# Altium PCB Waffling60-MX.PcbDoc (part 2 of 3)
Units mm, origin at the board's own origin, x right, y up, seen from the top; angles counter-clockwise.
Board outline 284.7 x 94.21 mm, 2 copper layers (Component Side, Bottom Layer), stack 1.571 mm thick; 178 components, 117 nets, 864 pads, 146 vias.
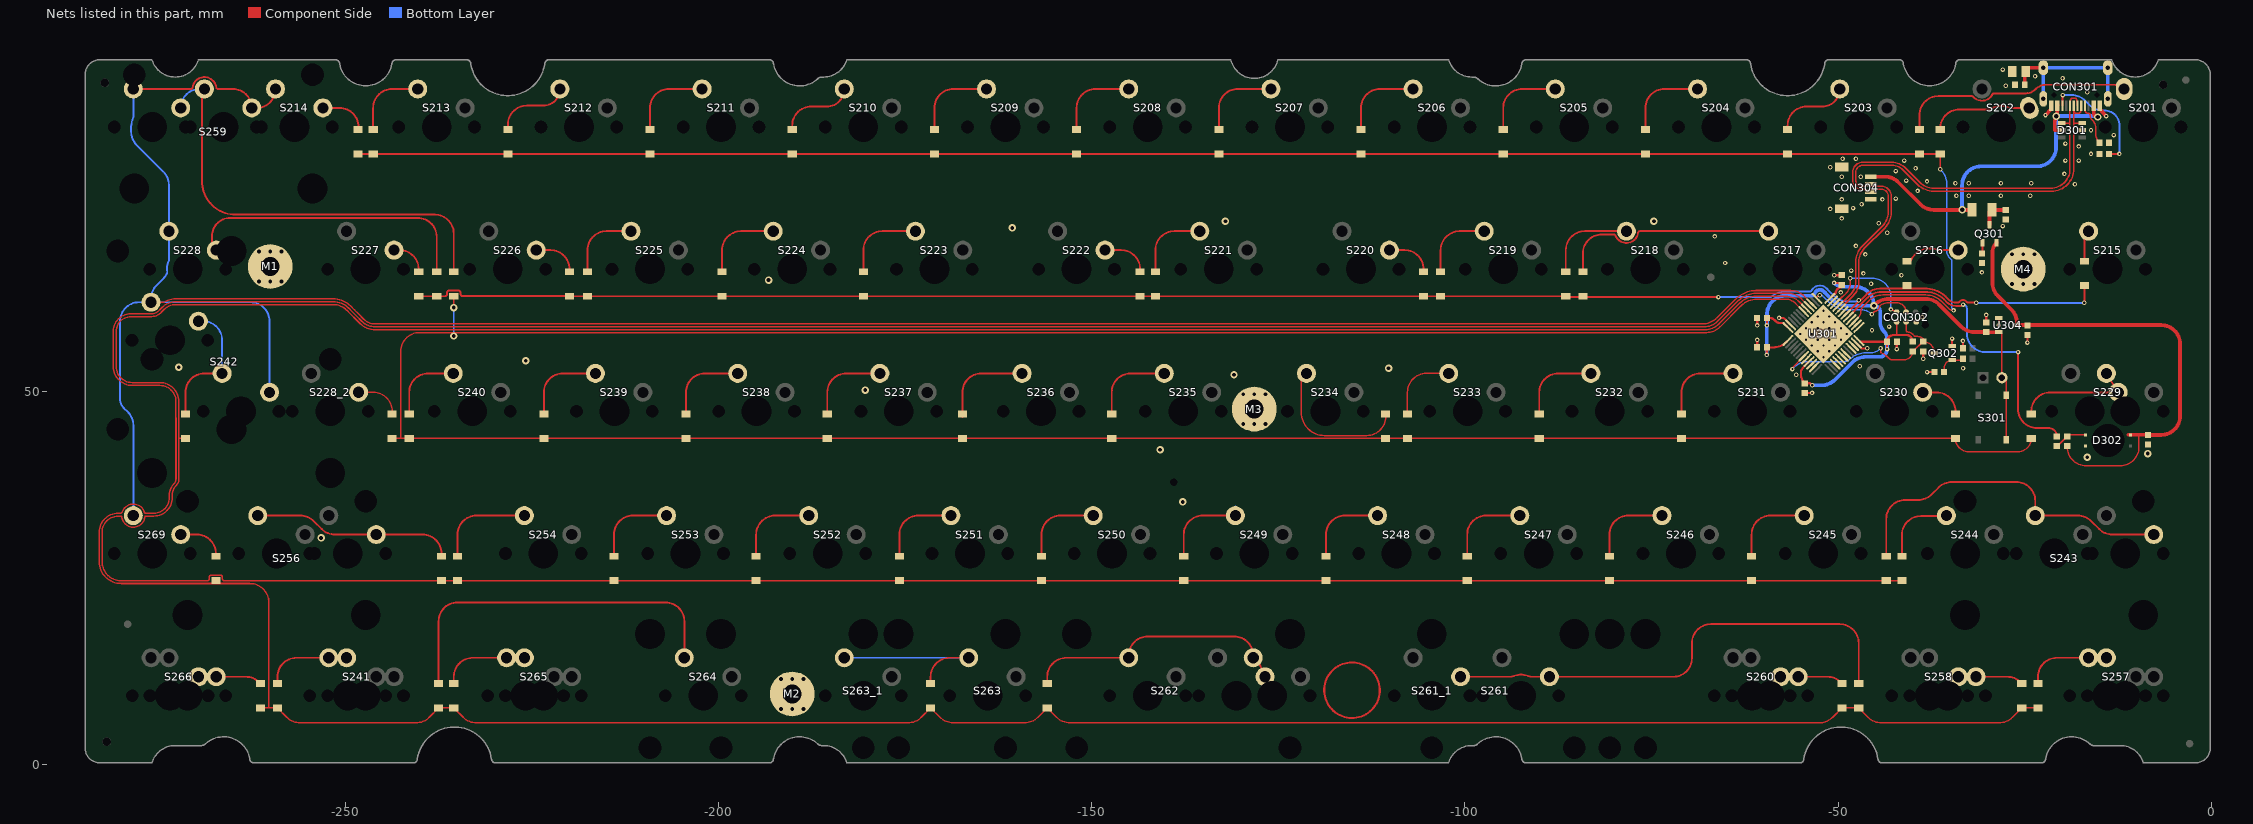
[diagram p2: the nets of this part, all layers, seen from the top]

## Via types
v1: diameter 0.6, hole 0.3, Component Side to Bottom Layer, tented both sides, 101 vias
v2: diameter 0.6, hole 0.3, Component Side to Bottom Layer, tented bottom, 25 vias
v3: diameter 1, hole 0.5, Component Side to Bottom Layer, tented both sides, 17 vias
v4: diameter 1, hole 0.6, Component Side to Bottom Layer, tented both sides, 3 vias

## Nets (pads, with @x,y where several pads share a name; then routed paths per layer and width w, separated by ;. In a path a pad name is that pad's centre, name@x,y a point inside that pad or via, vN(x,y) a via of type N, cw(c..) or ccw(c..) an arc to the next point about the centre after c; other vN are vias at no path point) (continued)
col14: S214.2 S228.2 S242.2 S259.2 S269.2 U301.39 | length 339.5
  Component Side w0.203: S242.2@-276.02,61.925 -274.329,61.925 ccw(c-274.33,62.128) -274.225,61.954 cw(c-272.709,59.455) -272.709,62.378 -251.606,62.378 cw(c-251.606,59.072) -249.265,61.407 -248.744,60.886 cw(c-249.013,60.613) -248.742,60.884 -248.298,60.439 ccw(c-248.153,60.582) -248.296,60.438 -247.507,59.649 ccw(c-245.98,61.172) -245.98,59.015 -68.273,59.015 ccw(c-68.273,61.938) -66.207,59.87 ccw(c-68.273,61.938) -66.205,59.873 -63.82,62.257 cw(c-60.833,59.282) -63.808,62.269 cw(c-60.833,59.282) -62.693,63.065 ccw(c-62.783,63.247) -62.685,63.07 cw(c-61.057,60.191) -61.057,63.498 -56.366,63.498 cw(c-56.366,60.958) -54.57,62.754 U301.39@-53.72,61.904
  Component Side w0.254: S259.2@-278.39,90.495 -272.542,90.495 -270.698,90.495 ccw(c-270.698,90.749) -270.447,90.714 cw(c-268.865,90.495) -270.403,90.924 cw(c-268.865,90.495) -268.362,92.011 cw(c-268.865,90.495) -268.36,92.01 cw(c-268.865,90.495) -267.283,90.714 ccw(c-267.032,90.749) -267.032,90.495 -265.055,90.495 cw(c-265.055,87.955) S259.2@-262.515,87.955 -261.88,87.955 ccw(c-261.88,90.495) S214.2@-259.34,90.495
  Bottom Layer w0.254: S269.2@-278.39,33.345 -278.39,45.436 ccw(c-280.93,45.436) -279.134,47.232 -279.654,47.752 cw(c-278.428,48.978) -280.162,48.978 -280.162,59.385 cw(c-277.622,59.385) -277.622,61.925 S242.2@-276.02,61.925 ; S259.2@-278.39,90.495 -278.39,86.712 cw(c-278.644,86.711) -278.414,86.604 ccw(c-275.85,85.415) -278.675,85.469 -278.675,84.782 ccw(c-276.135,84.782) -277.931,82.986 -274.371,79.426 cw(c-276.167,77.63) -273.627,77.63 S228.2@-273.627,71.445 -273.627,67.576 cw(c-273.881,67.578) -273.648,67.478 ccw(c-271.087,66.365) -273.849,65.956 cw(c-274.101,65.919) -273.871,65.811 cw(c-276.167,66.896) -274.371,65.1 -275.276,64.195 ccw(c-273.48,62.399) -276.02,62.399 S242.2@-276.02,61.925 ; S242.2@-260.14,49.855 -260.14,59.385 ccw(c-262.68,59.385) -262.68,61.925 S242.2@-276.02,61.925
D_N: CON301.A7 CON301.B7 CON304.2 D301.3 U301.32 | length 69.6
  Component Side w0.2: U301.32@-49.513,61.197 -49.513,61.224 -49.056,61.68 -49.056,61.722 -47.989,62.789 ccw(c-49.842,64.641) -47.987,62.791 ccw(c-49.842,64.641) -47.222,64.641 -47.222,67.361 cw(c-44.682,67.361) -46.478,69.157 -43.764,71.871 ccw(c-45.84,73.947) -42.904,73.947 -42.904,76.2 ccw(c-44.155,76.2) -44.155,77.452 -45.327,77.452 cw(c-45.327,77.75) CON304.2@-45.625,77.75 -45.889,77.75 ccw(c-45.889,77.241) -46.249,77.601 cw(c-46.609,77.961) -46.609,77.452 -46.863,77.452 cw(c-46.863,78.214) -47.625,78.214 -47.625,79.375 cw(c-46.736,79.375) -46.736,80.264 -42.808,80.264 cw(c-42.808,78.096) -41.275,79.629 -39.32,77.674 ccw(c-37.241,79.752) -37.241,76.813 -21.393,76.813 ccw(c-21.393,79.756) -18.45,79.756 -18.45,85.979 ; CON301.B7@-17.45,88.25 -17.5,88.18 -17.502,88.18 ccw(c-17.32,88.097) -17.52,88.097 -17.52,87.525 cw(c-17.8,87.525) -17.8,87.245 -18.1,87.245 cw(c-18.1,87.525) -18.38,87.525 -18.38,88.097 ccw(c-18.58,88.097) -18.398,88.18 -18.4,88.18 CON301.A7@-18.45,88.25 -18.45,85.979 ; D301.3@-17.294,85.913 -18.291,85.913 cw(c-18.291,86.138) -18.45,85.979
D_P: CON301.A6 CON301.B6 CON304.3 D301.4 U301.33 | length 69.1
  Component Side w0.2: U301.33@-49.866,61.55 -49.839,61.55 -49.383,62.007 -49.341,62.007 -48.275,63.073 ; -48.274,63.074 ccw(c-49.846,64.643) -47.625,64.643 -47.625,67.364 cw(c-44.689,67.364) -46.765,69.44 -44.051,72.154 ccw(c-45.847,73.95) -43.307,73.95 -43.307,76.2 ccw(c-44.155,76.2) -44.155,77.048 -45.327,77.048 ccw(c-45.327,76.75) CON304.3@-45.625,76.75 -45.889,76.75 cw(c-45.889,77.259) -46.249,76.899 ccw(c-46.609,76.539) -46.609,77.048 -46.863,77.048 cw(c-46.863,78.214) -48.028,78.214 -48.028,79.375 cw(c-46.736,79.375) -46.736,80.667 -42.803,80.667 cw(c-42.803,78.108) -40.993,79.917 -39.036,77.96 ccw(c-37.24,79.756) -37.24,77.216 -21.49,77.216 ccw(c-21.49,79.756) -18.95,79.756 -18.95,85.979 ; D301.4@-20.044,85.913 -19.109,85.913 ccw(c-19.109,86.138) -18.95,85.979 ; CON301.A6@-17.95,88.25 -18,88.821 -18.002,88.821 cw(c-17.82,88.904) -18.02,88.903 -18.02,88.975 ccw(c-18.3,88.975) -18.3,89.255 -18.6,89.255 ccw(c-18.6,88.975) -18.88,88.975 -18.88,88.401 cw(c-19.08,88.402) -18.882,88.373 -18.9,88.373 CON301.B6@-18.95,88.25 -18.95,85.979
GND: C301.1 C302.1 C303.1 C304.1 C305.1 C306.1 C307.1 C308.1 C310.2 C311.1 C312.1 CON301.A1B12 CON301.B1A12 CON302.5 CON304.4 CON304.5 D301.2 D302.3 L301.1 M1.1 M2.1 M3.1 M4.1 Q302.2 R301.2 R302.2 R304.2 R305.2 R307.2 U301.8 U301.23 U301.35 U301.47 U304.1 | length 48.3
  Component Side w0.254: v1(-57.912,59.817) -57.479,59.817 cw(c-57.479,59.361) -57.157,59.683 U301.47@-56.549,59.075 ; U301.23@-47.391,56.282 -47.379,56.282 -46.85,55.753 v1(-46.101,55.753) ; CON302.5@-39.544,59.309 v1(-38.735,59.944)
  Component Side w0.279: -111.412,10.074 cw(c-115.129,9.951) -111.412,10.088
  Component Side w0.3: C305.1@-60.848,55.88 v1@-60.848,56.881 ; v1@-60.848,58.816 C304.1@-60.848,59.817 ; C302.1@-54.483,49.769 v1@-53.482,49.769 ; v1@-50.531,65.547 C303.1@-49.53,65.547 ; v1@-42.149,55.641 C301.1@-42.149,56.642 ; v1@-38.608,54.356 C310.2@-38.608,55.357 ; v1@-38.1,52.578 R305.2@-37.099,52.578 ; Q302.2@-34.741,56.068 v1@-34.741,57.069 ; R304.2@-33.289,55.753 v1@-33.289,56.754 ; C308.1@-30.169,59.239 v1@-30.169,60.24 ; v1@-28.463,58.82 U304.1@-28.463,59.821 ; v1@-24.638,56.515 C307.1@-24.638,57.516
  Component Side w0.5: v1(-22.225,86.995) -21.5,87.775 CON301.B1A12@-21.45,88.25 ; CON301.A1B12@-14.95,88.25 -14.9,87.775 v1(-14.097,86.868)
  Bottom Layer w0.254: v2(-52.748,60.012) v2(-51.97,59.234) ; v2(-51.97,60.79) v2(-51.192,60.012) v2(-50.414,59.234) v2(-49.637,58.457) v2(-48.859,57.679)
  other v1: -53.49,49.769 -55.626,52.197 -38.092,52.578 -33.274,53.086 -47.117,53.34 -38.608,54.364 -42.149,55.649 -24.638,56.523 -33.289,56.746 -60.848,56.873 -34.741,57.061 -45.466,58.166 -43.18,58.674 -60.848,58.824 -28.463,58.828 -30.169,60.232 -49.657,63.246 -45.593,64.389 -41.529,65.532 -50.523,65.547 -46.609,65.786 -30.734,65.913 -48.26,66.167 -65.151,67.183 -46.355,68.326 -47.625,69.469 -66.548,70.739 -43.434,71.247 -27.94,72.136 -44.577,72.517 -49.53,73.152 -51.054,74.422 -48.006,74.549 -46.863,75.057 -49.53,75.692 -44.069,75.692 -42.291,75.819 -34.163,76.2 -32.512,76.2 -28.194,76.2 -24.257,76.2 -39.37,76.835 -18.288,77.724 -34.29,77.851 -32.512,77.851 -28.194,77.851 -24.13,77.851 -38.1,78.105 -40.894,78.232 -49.53,78.74 -46.99,78.74 -19.685,79.121 -42.291,79.502 -39.624,79.883 -51.054,80.01 -41.148,80.899 -19.558,80.899 -17.78,80.899 -49.403,81.153 -47.625,81.153 -16.129,81.788 -17.78,82.804 -19.558,83.185 -13.081,84.328 -16.129,84.963 -16.637,90.043 -27.559,90.932 -19.939,91.948 -23.622,92.202 -27.94,93.091
  other v2: -51.97,54.568 -52.748,55.345 -51.192,55.345 -53.526,56.123 -51.97,56.123 -50.414,56.123 -54.303,56.901 -52.748,56.901 -51.192,56.901 -49.637,56.901 -55.081,57.679 -53.526,57.679 -51.97,57.679 -50.414,57.679 -54.303,58.457 -52.748,58.457 -51.192,58.457 -53.526,59.234
  other v3: -253.238,30.353 -137.795,35.179 -16.637,41.148 -8.509,41.656 -140.843,42.164 -180.34,50.165 -130.937,52.197 -110.236,53.086 -272.288,53.213 -225.806,54.102 -193.294,64.897 -160.655,71.882 -132.08,72.771 -74.676,72.771
LED: R308.2 U301.29 | length 44.4
  Component Side w0.254: U301.29@-48.452,60.136 -47.094,61.494 -46.018,62.57 cw(c-44.222,60.774) -44.222,63.314 -38.221,63.314 cw(c-38.221,61.347) -38.043,63.306 ccw(c-38.021,63.559) -38.04,63.306 cw(c-38.28,59.834) -35.821,62.297 cw(c-38.28,59.834) -35.818,62.293 -35.474,61.949 ccw(c-34.255,63.169) -35.472,61.948 ccw(c-34.255,63.169) -34.255,61.445 -33.541,61.445 -33.368,61.618 v1(-33.274,61.618) ; v1@-25.908,55.245 -25.908,47.625 ccw(c-23.368,47.625) -23.368,45.085 -21.829,45.085 cw(c-21.829,43.957) R308.2@-20.701,43.957
  Bottom Layer w0.254: v1(-33.274,61.618) cw(c-33.274,61.11) -32.766,61.11 -32.766,57.785 ccw(c-30.226,57.785) -32.732,57.37 ccw(c-30.226,57.785) -30.641,55.279 ccw(c-30.226,57.785) -30.226,55.245 v1(-25.9,55.245)
NetC306_2: C306.2 F301.1 Q301.3 | length 4
  Component Side w0.5: Q301.3@-29.718,72.32 -29.718,73.961 cw(c-29.384,73.961) F301.1@-29.384,74.295 -27.595,74.295 ccw(c-27.595,74.346) C306.2@-27.559,74.31
NetC309_2: C309.2 Q302.1 R305.1 | length 3.8
  Component Side w0.203: R305.1@-35.799,52.578 -35.799,53.11 cw(c-34.741,53.11) Q302.1@-34.741,54.168 -33.477,54.168 ccw(c-33.477,54.356) C309.2@-33.289,54.356
NetC312_2: C312.2 CON301.S1 L301.2 | length 21.5
  Component Side w0.5: C312.2@-25.004,91.059 -25.004,92.694 cw(c-24.861,92.694) L301.2@-24.861,92.837 cw(c-24.353,92.837) -24.353,93.345 CON301.S1@-22.52,93.345
  Bottom Layer w0.5: CON301.S1@-22.52,89.165 CON301.S1@-22.52,93.345 CON301.S1@-13.88,93.345 CON301.S1@-13.88,89.165
NetCON301_A5: CON301.A5 R301.1 | length 5.7
  Component Side w0.203: CON301.A5@-16.95,88.25 -16.902,88.128 -16.884,88.128 cw(c-17.085,88.098) -16.882,88.098 -16.882,87.525 ccw(c-16.6,87.525) -16.6,87.243 -16.466,87.243 cw(c-16.467,87.04) -16.267,87.075 ccw(c-15.24,87.251) -16.26,87.04 cw(c-16.459,87) -16.256,87.001 -16.256,86.995 ccw(c-15.336,86.995) -15.987,86.345 -15.875,86.233 cw(c-16.795,85.313) -15.494,85.313 -15.494,84.455 ccw(c-13.925,84.455) -15.034,83.345 R301.1@-15.001,83.312
NetCON301_B5: CON301.B5 R302.1 | length 16
  Component Side w0.254: CON301.B5@-19.95,88.25 v1@-19.95,89.668 ; R302.1@-13.701,81.788 v1(-12.319,81.788)
  Bottom Layer w0.254: v1(-19.926,89.682) -18.725,89.682 cw(c-18.725,87.142) -16.929,88.938 -16.365,88.374 ccw(c-14.569,90.17) -14.569,87.63 -14.351,87.63 cw(c-14.351,85.598) -12.319,85.598 v1(-12.319,81.788)
NetD201_1: D201.1 S201.1 | length 33.7
  Component Side w0.254: D201.1@-39.116,85.05 -39.116,86.995 cw(c-36.576,86.995) -36.576,89.535 -32.11,89.535 cw(c-32.111,89.281) -31.921,89.45 ccw(c-30.74,90.495) -31.387,89.057 ccw(c-30.74,90.495) -29.336,89.778 cw(c-30.74,90.495) -30.914,88.928 ; -29.335,89.779 cw(c-29.109,89.662) -29.111,89.916 -24.848,89.916 ccw(c-24.848,91.65) -23.622,90.424 cw(c-22.089,88.891) -22.089,91.059 -13.052,91.059 cw(c-13.052,89.133) S201.1@-11.69,90.495
NetD202_1: D202.1 S202.1 | length 15.4
  Component Side w0.254: D202.1@-36.322,85.05 -36.322,85.217 cw(c-33.782,85.217) -33.782,87.757 -29.78,87.757 ccw(c-29.782,88.011) -29.65,87.794 ; -28.033,88.196 ccw(c-28.2,85.415) -29.65,87.794 ; S202.1@-24.39,87.955 -27.004,87.955 cw(c-27.003,88.209) -27.102,87.975 ccw(c-28.2,85.415) -29.65,87.794
NetD203_1: D203.1 S203.1 | length 10.3
  Component Side w0.254: D203.1@-56.769,85.05 -56.769,85.598 cw(c-54.229,85.598) -54.229,88.138 -52.147,88.138 ccw(c-52.147,90.495) S203.1@-49.79,90.495
NetD204_1: D204.1 S204.1 | length 11.3
  Component Side w0.254: D204.1@-75.819,85.05 -75.819,87.955 cw(c-73.279,87.955) -73.279,90.495 S204.1@-68.84,90.495
NetD205_1: D205.1 S205.1 | length 11.3
  Component Side w0.254: D205.1@-94.869,85.05 -94.869,87.955 cw(c-92.329,87.955) -92.329,90.495 S205.1@-87.89,90.495
NetD206_1: D206.1 S206.1 | length 11.3
  Component Side w0.254: D206.1@-113.919,85.05 -113.919,87.955 cw(c-111.379,87.955) -111.379,90.495 S206.1@-106.94,90.495
NetD207_1: D207.1 S207.1 | length 11.3
  Component Side w0.254: D207.1@-132.969,85.05 -132.969,87.955 cw(c-130.429,87.955) -130.429,90.495 S207.1@-125.99,90.495
NetD208_1: D208.1 S208.1 | length 11.3
  Component Side w0.254: D208.1@-152.019,85.05 -152.019,87.955 cw(c-149.479,87.955) -149.479,90.495 S208.1@-145.04,90.495
NetD209_1: D209.1 S209.1 | length 11.3
  Component Side w0.254: D209.1@-171.069,85.05 -171.069,87.955 cw(c-168.529,87.955) -168.529,90.495 S209.1@-164.09,90.495
NetD210_1: D210.1 S210.1 | length 10.3
  Component Side w0.254: D210.1@-190.119,85.05 -190.119,85.598 cw(c-187.579,85.598) -187.579,88.138 -185.497,88.138 ccw(c-185.497,90.495) S210.1@-183.14,90.495
NetD211_1: D211.1 S211.1 | length 11.3
  Component Side w0.254: D211.1@-209.169,85.05 -209.169,87.955 cw(c-206.629,87.955) -206.629,90.495 S211.1@-202.19,90.495
NetD212_1: D212.1 S212.1 | length 10.4
  Component Side w0.254: D212.1@-228.219,85.05 -228.219,85.725 cw(c-225.679,85.725) -225.679,88.265 -223.47,88.265 ccw(c-223.47,90.495) S212.1@-221.24,90.495
NetD213_1: D213.1 S213.1 | length 10.3
  Component Side w0.254: D213.1@-246.253,85.05 -246.253,87.955 cw(c-243.713,87.955) -243.713,90.495 S213.1@-240.29,90.495
NetD214_1: D214.1 S214.1 | length 6.6
  Component Side w0.254: S214.1@-252.99,87.955 -250.759,87.955 cw(c-250.759,85.415) -248.219,85.415 D214.1@-248.219,85.05
NetD215_1: D215.1 S215.1 | length 4.3
  Component Side w0.254: D215.1@-17.018,67.421 -17.018,70.88 cw(c-16.452,70.88) S215.1@-16.452,71.445
NetD216_1: D216.1 S216.1 | length 8.1
  Component Side w0.254: D216.1@-40.767,67.421 -40.284,67.52 -40.276,67.52 ccw(c-40.457,67.698) -40.257,67.541 -40.24,67.563 ccw(c-40.468,67.675) -40.239,67.565 cw(c-37.725,66.365) -39.557,68.464 ; -39.057,68.812 ccw(c-37.725,66.365) -39.557,68.464 ; -37.72,69.151 ccw(c-37.725,66.365) -37.73,69.151 ccw(c-37.725,66.365) -39.557,68.464 ; -37.719,69.151 cw(c-37.725,66.365) -36.627,68.925 ccw(c-36.528,69.159) -36.529,68.905 S216.1@-33.915,68.905
NetD217_1: D217.1 S217.1 | length 31
  Component Side w0.254: D217.1@-84.201,66 -84.201,68.471 cw(c-81.661,68.471) -81.661,71.011 -80.061,71.011 cw(c-80.062,70.757) -79.827,70.853 ; -79.279,70.16 cw(c-78.365,71.445) -79.827,70.853 ; S217.1@-59.315,71.445 -76.553,71.445 ccw(c-76.552,71.191) -76.803,71.227 cw(c-78.365,71.445) -79.827,70.853
NetD218_1: D218.1 S218.1 | length 12.5
  Component Side w0.254: D218.1@-86.487,66 -86.487,68.905 cw(c-83.947,68.905) -83.947,71.445 S218.1@-78.365,71.445
NetD219_1: D219.1 S219.1 | length 10.2
  Component Side w0.254: D219.1@-103.251,66 -103.251,68.905 cw(c-100.711,68.905) -100.711,71.445 S219.1@-97.415,71.445
NetD220_1: D220.1 S220.1 | length 6.4
  Component Side w0.254: S220.1@-110.115,68.905 -108.077,68.905 cw(c-108.077,66.365) -105.537,66.365 D220.1@-105.537,66
NetD221_1: D221.1 S221.1 | length 10.3
  Component Side w0.254: D221.1@-141.478,66 -141.478,68.905 cw(c-138.938,68.905) -138.938,71.445 S221.1@-135.515,71.445
NetD222_1: D222.1 S222.1 | length 6.5
  Component Side w0.254: S222.1@-148.215,68.905 -146.05,68.905 cw(c-146.05,66.365) -143.51,66.365 D222.1@-143.51,66
NetD223_1: D223.1 S223.1 | length 11.3
  Component Side w0.254: D223.1@-180.594,66 -180.594,68.905 cw(c-178.054,68.905) -178.054,71.445 S223.1@-173.615,71.445
NetD224_1: D224.1 S224.1 | length 11.2
  Component Side w0.254: D224.1@-199.517,66 -199.517,68.905 cw(c-196.977,68.905) -196.977,71.445 S224.1@-192.665,71.445
NetD225_1: D225.1 S225.1 | length 10.2
  Component Side w0.254: D225.1@-217.551,66 -217.551,68.905 cw(c-215.011,68.905) -215.011,71.445 S225.1@-211.715,71.445
NetD226_1: D226.1 S226.1 | length 6.3
  Component Side w0.254: S226.1@-224.415,68.905 -222.504,68.905 cw(c-222.504,66.365) -219.964,66.365 D226.1@-219.964,66
NetD227_1: D227.1 S227.1 | length 5
  Component Side w0.254: S227.1@-243.465,68.905 -242.697,68.905 cw(c-242.697,66.365) -240.157,66.365 D227.1@-240.157,66.151
NetD228_1: D228.1 S228.1 | length 39.9
  Component Side w0.254: S228.1@-267.277,68.905 cw(c-267.277,69.471) -267.843,69.471 -267.843,70.792 cw(c-265.409,70.792) -265.409,73.226 -240.284,73.226 cw(c-240.284,70.686) -237.744,70.686 ; D228.1@-237.744,66 -237.744,70.686 ; -237.744,70.739 -237.744,70.686
NetD228_2_1: D228_2.1 S228_2.1 | length 6.3
  Component Side w0.203: S228_2.1@-248.202,49.855 -246.253,49.855 cw(c-246.253,47.315) -243.713,47.315 D228_2.1@-243.713,46.95
NetD229_1: D229.1 S229.2 | length 16.5
  Component Side w0.254: D229.1@-24.13,46.95 -24.13,47.315 cw(c-21.59,47.315) -21.59,49.855 S229.2@-12.484,49.855 S229.2@-14.071,52.395
NetD230_1: D230.1 S230.1 | length 6.2
  Component Side w0.254: S230.1@-38.677,49.855 -36.83,49.855 cw(c-36.83,47.315) -34.29,47.315 D230.1@-34.29,46.95
NetD231_1: D231.1 S231.1 | length 11.3
  Component Side w0.254: D231.1@-70.993,46.95 -70.993,49.855 cw(c-68.453,49.855) -68.453,52.395 S231.1@-64.077,52.395
NetD232_1: D232.1 S232.1 | length 11.3
  Component Side w0.254: D232.1@-90.043,46.95 -90.043,49.855 cw(c-87.503,49.855) -87.503,52.395 S232.1@-83.127,52.395
NetD233_1: D233.1 S233.1 | length 9.9
  Component Side w0.203: D233.1@-107.696,46.95 -107.696,49.855 cw(c-105.156,49.855) -105.156,52.395 S233.1@-102.177,52.395
NetD234_1: D234.1 S234.1 | length 20.5
  Component Side w0.203: S234.1@-121.227,52.395 ccw(c-121.227,51.703) -121.92,51.703 -121.92,47.169 ccw(c-118.814,47.169) -118.814,44.063 -113.157,44.063 ccw(c-113.157,46.603) -110.617,46.603 D234.1@-110.617,46.95
NetD235_1: D235.1 S235.1 | length 11.4
  Component Side w0.254: D235.1@-147.32,46.95 -147.32,49.855 cw(c-144.78,49.855) -144.78,52.395 S235.1@-140.277,52.395
NetD236_1: D236.1 S236.1 | length 12.8
  Component Side w0.254: D236.1@-167.32,46.515 D236.1@-167.32,46.95 -167.32,49.855 cw(c-164.78,49.855) -164.78,52.395 S236.1@-159.327,52.395
NetD237_1: D237.1 S237.1 | length 11.4
  Component Side w0.254: D237.1@-185.42,46.95 -185.42,49.855 cw(c-182.88,49.855) -182.88,52.395 S237.1@-178.377,52.395
NetD238_1: D238.1 S238.1 | length 10.8
  Component Side w0.254: D238.1@-204.343,46.95 -204.343,49.855 cw(c-201.803,49.855) -201.803,52.395 S238.1@-197.881,52.395
NetD239_1: D239.1 S239.1 | length 11.3
  Component Side w0.254: D239.1@-223.393,46.95 -223.393,49.855 cw(c-220.853,49.855) -220.853,52.395 S239.1@-216.477,52.395
NetD240_1: D240.1 S240.1 | length 10.3
  Component Side w0.254: D240.1@-241.427,46.95 -241.427,49.855 cw(c-238.887,49.855) -238.887,52.395 S240.1@-235.527,52.395
NetD241_1: D241.1 S241.2 | length 9.2
  Component Side w0.254: D241.1@-259.08,10.85 -259.08,11.755 cw(c-256.54,11.755) -256.54,14.295 S241.2@-252.196,14.295
NetD242_1: D242.1 S242.1 | length 18.3
  Component Side w0.254: D242.1@-271.399,46.95 -271.399,49.855 cw(c-268.859,49.855) -268.859,52.395 S242.1@-266.49,52.395
  Bottom Layer w0.254: S242.1@-269.67,59.385 -269.03,59.385 cw(c-269.03,56.845) -266.49,56.845 S242.1@-266.49,52.395
NetD243_1: D243.1 S243.1 | length 47.3
  Component Side w0.254: D243.1@-43.561,27.9 -43.561,32.893 cw(c-41.021,32.893) -41.021,35.433 -39.279,35.433 ccw(c-39.279,37.973) -37.483,36.177 -36.558,37.102 cw(c-34.762,35.306) -34.762,37.846 -26.136,37.846 cw(c-26.136,35.306) -23.596,35.306 S243.1@-23.596,33.345 -17.887,33.345 cw(c-17.887,30.805) -16.091,32.601 -15.039,31.549 ccw(c-13.243,33.345) -13.243,30.805 S243.1@-7.721,30.805
NetD244_1: D244.1 S244.2 | length 10.3
  Component Side w0.254: D244.1@-41.468,27.9 -41.468,30.734 cw(c-38.928,30.734) -38.928,33.274 S244.2@-35.433,33.274
NetD245_1: D245.1 S245.1 | length 11.4
  Component Side w0.254: D245.1@-61.595,27.9 -61.595,30.805 cw(c-59.055,30.805) -59.055,33.345 S245.1@-54.552,33.345
NetD246_1: D246.1 S246.1 | length 11.4
  Component Side w0.254: D246.1@-80.645,27.9 -80.645,30.805 cw(c-78.105,30.805) -78.105,33.345 S246.1@-73.602,33.345
NetD247_1: D247.1 S247.1 | length 11.4
  Component Side w0.254: D247.1@-99.695,27.9 -99.695,30.805 cw(c-97.155,30.805) -97.155,33.345 S247.1@-92.652,33.345
NetD248_1: D248.1 S248.1 | length 11.3
  Component Side w0.254: D248.1@-118.618,27.9 -118.618,30.805 cw(c-116.078,30.805) -116.078,33.345 S248.1@-111.702,33.345
NetD249_1: D249.1 S249.1 | length 12.5
  Component Side w0.254: D249.1@-137.668,27.9 -137.668,30.805 cw(c-135.128,30.805) -135.128,33.345 S249.1@-130.752,33.345
  Bottom Layer w0.254: S249.1@-130.752,33.345 S249.1@-130.752,34.544
NetD250_1: D250.1 S250.1 | length 11.3
  Component Side w0.254: D250.1@-156.718,27.9 -156.718,30.805 cw(c-154.178,30.805) -154.178,33.345 S250.1@-149.802,33.345
NetD251_1: D251.1 S251.1 | length 11.3
  Component Side w0.254: D251.1@-175.768,27.9 -175.768,30.805 cw(c-173.228,30.805) -173.228,33.345 S251.1@-168.852,33.345
NetD252_1: D252.1 S252.1 | length 11.4
  Component Side w0.254: D252.1@-194.945,27.9 -194.945,30.805 cw(c-192.405,30.805) -192.405,33.345 S252.1@-187.902,33.345
NetD253_1: D253.1 S253.1 | length 11.4
  Component Side w0.254: D253.1@-213.995,27.9 -213.995,30.805 cw(c-211.455,30.805) -211.455,33.345 S253.1@-206.952,33.345
NetD254_1: D254.1 S254.1 | length 13.3
  Component Side w0.254: D254.1@-234.95,27.9 -234.95,30.805 cw(c-232.41,30.805) -232.41,33.345 S254.1@-226.002,33.345
NetD255_1: D255.1 S256.1 | length 27.2
  Component Side w0.254: S256.1@-261.62,33.345 -256.012,33.345 cw(c-256.012,30.805) -254.216,32.601 -253.164,31.549 ccw(c-251.368,33.345) -251.368,30.805 -245.745,30.805 -239.649,30.805 cw(c-239.649,28.265) -237.109,28.265 D255.1@-237.109,27.9
NetD256_1: D256.1 S269.1 | length 6.5
  Component Side w0.254: S269.1@-272.04,30.805 -269.875,30.805 cw(c-269.875,28.265) -267.335,28.265 D256.1@-267.335,27.9
NetD257_1: D257.1 S257.2 | length 9.1
  Component Side w0.254: D257.1@-23.241,10.85 -23.241,11.755 cw(c-20.701,11.755) -20.701,14.295 S257.2@-16.452,14.295
NetD258_1: D258.1 S258.1 | length 6.4
  Component Side w0.254: S258.1@-31.533,11.755 -27.357,11.755 cw(c-27.357,9.215) -25.561,11.011 D258.1@-25.4,10.85
NetD259_1: D259.1 S259.1 | length 59.8
  Component Side w0.254: S259.1@-269.182,90.495 -269.182,78.135 ccw(c-264.708,78.135) -264.708,73.66 -237.998,73.66 cw(c-237.998,71.12) -235.458,71.12 D259.1@-235.458,66
  Bottom Layer w0.254: S259.1@-272.04,87.955 cw(c-269.5,87.955) -269.5,90.495 S259.1@-268.865,90.495
NetD260_1: D260.1 S260.1 | length 6.1
  Component Side w0.254: S260.1@-55.346,11.755 -51.439,11.755 cw(c-51.439,9.215) -49.643,11.011 D260.1@-49.482,10.85
NetD261_1: D261.1 S261.1 S261_1.1 | length 65.2
  Component Side w0.254: S261_1.1@-100.589,11.755 -93.788,11.755 ccw(c-93.789,12.009) -93.683,11.778 cw(c-92.493,9.215) -91.303,11.778 ccw(c-91.198,12.009) -91.199,11.755 S261.1@-88.683,11.755 -72.065,11.755 ccw(c-72.065,14.224) -69.596,14.224 -69.596,16.256 cw(c-67.056,16.256) -67.056,18.796 -49.784,18.796 cw(c-49.784,16.256) -47.244,16.256 D261.1@-47.244,10.85
NetD262_1: D262.1 S262.2 | length 36.8
  Component Side w0.254: D262.1@-155.956,10.85 -155.956,11.755 cw(c-153.416,11.755) -153.416,14.295 S262.2@-145.039,14.295 -145.039,14.605 cw(c-142.499,14.605) -142.499,17.145 -130.903,17.145 cw(c-130.903,14.605) -128.363,14.605 S262.2@-128.363,14.295 -127.837,13.769 cw(c-129.633,11.973) -127.093,11.973 S262.2@-127.093,11.755